# EAGLE board 14202-RedBoard-Panel (EAGLE 9.0.1), part 6 of 6
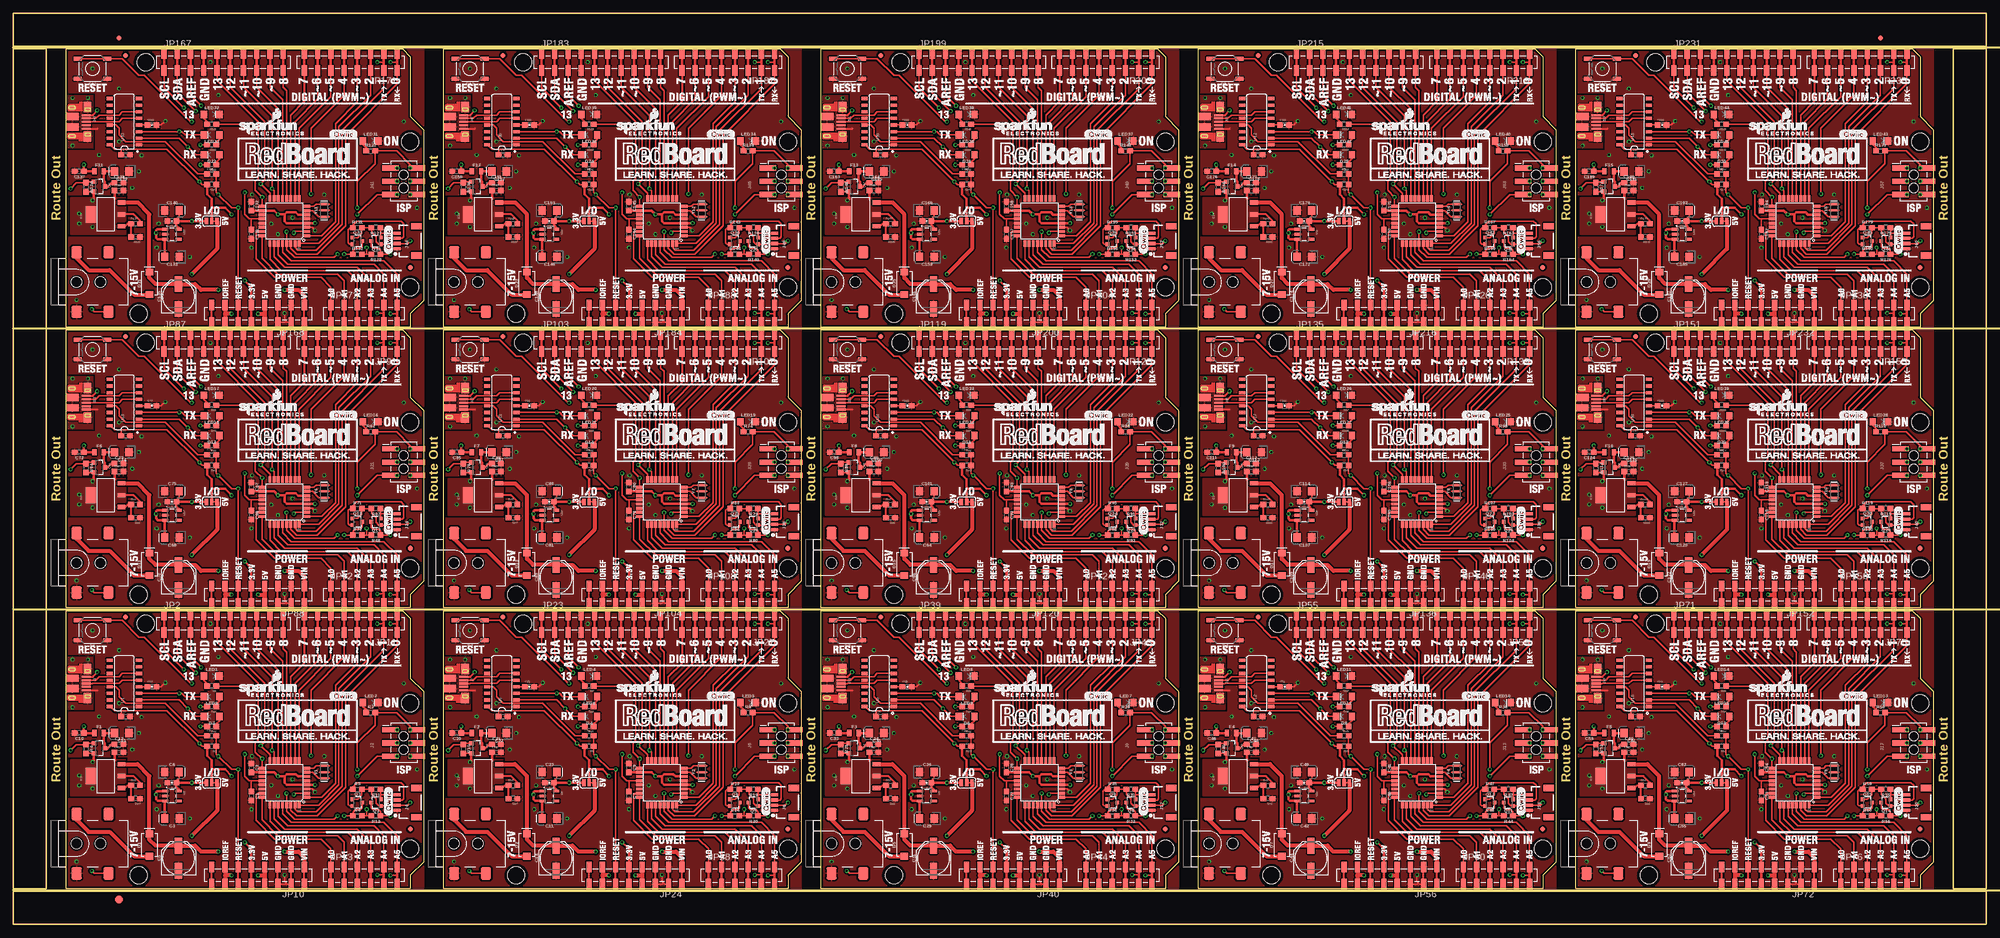
[diagram p0: board, top side]
## Tracks (layer width: path | path; a pad name or v marks a point on that pad's centre or on a via) (continued)
VUSB12  (via drill 0.38) (continued)
  Bottom 0.508: v158.37,145.67 158.37,147.57 158.88,148.08 160.15,148.08 160.66,148.59 160.66,155.83 v160.91,156.08
VUSB13  (via drill 0.38)
  Top 0.381: J55.VBUS 232.41,155.19
  Top 0.508: 232.41,155.19 v233.3,156.08 | F14.1 C176.1 230.76,144.44 v230.76,145.67
  Bottom 0.508: v230.76,145.67 230.76,147.57 231.27,148.08 232.54,148.08 233.04,148.59 233.04,155.83 v233.3,156.08
VUSB14  (via drill 0.38)
  Top 0.381: J59.VBUS 304.8,155.19
  Top 0.508: 304.8,155.19 v305.69,156.08 | F15.1 C189.1 303.15,144.44 v303.15,145.67
  Bottom 0.508: v303.15,145.67 303.15,147.57 303.66,148.08 304.93,148.08 305.44,148.59 305.44,155.83 v305.69,156.08

## Text on the board
Bottom: v10 | v10 | v10 | v10 | v10 | v10 | v10 | v10 | v10 | v10 | v10 | v10 | v10 | v10 | v10
Dimension: Route Out | Route Out | Route Out | Route Out | Route Out | Route Out | Route Out | Route Out | Route Out | Route Out | Route Out | Route Out | Route Out | Route Out | Route Out | Route Out | Route Out | Route Out
Milling: v-score | v-score | v-score | v-score